# Altium PCB PCB_v4.PcbDoc (part 1 of 7) (continued)
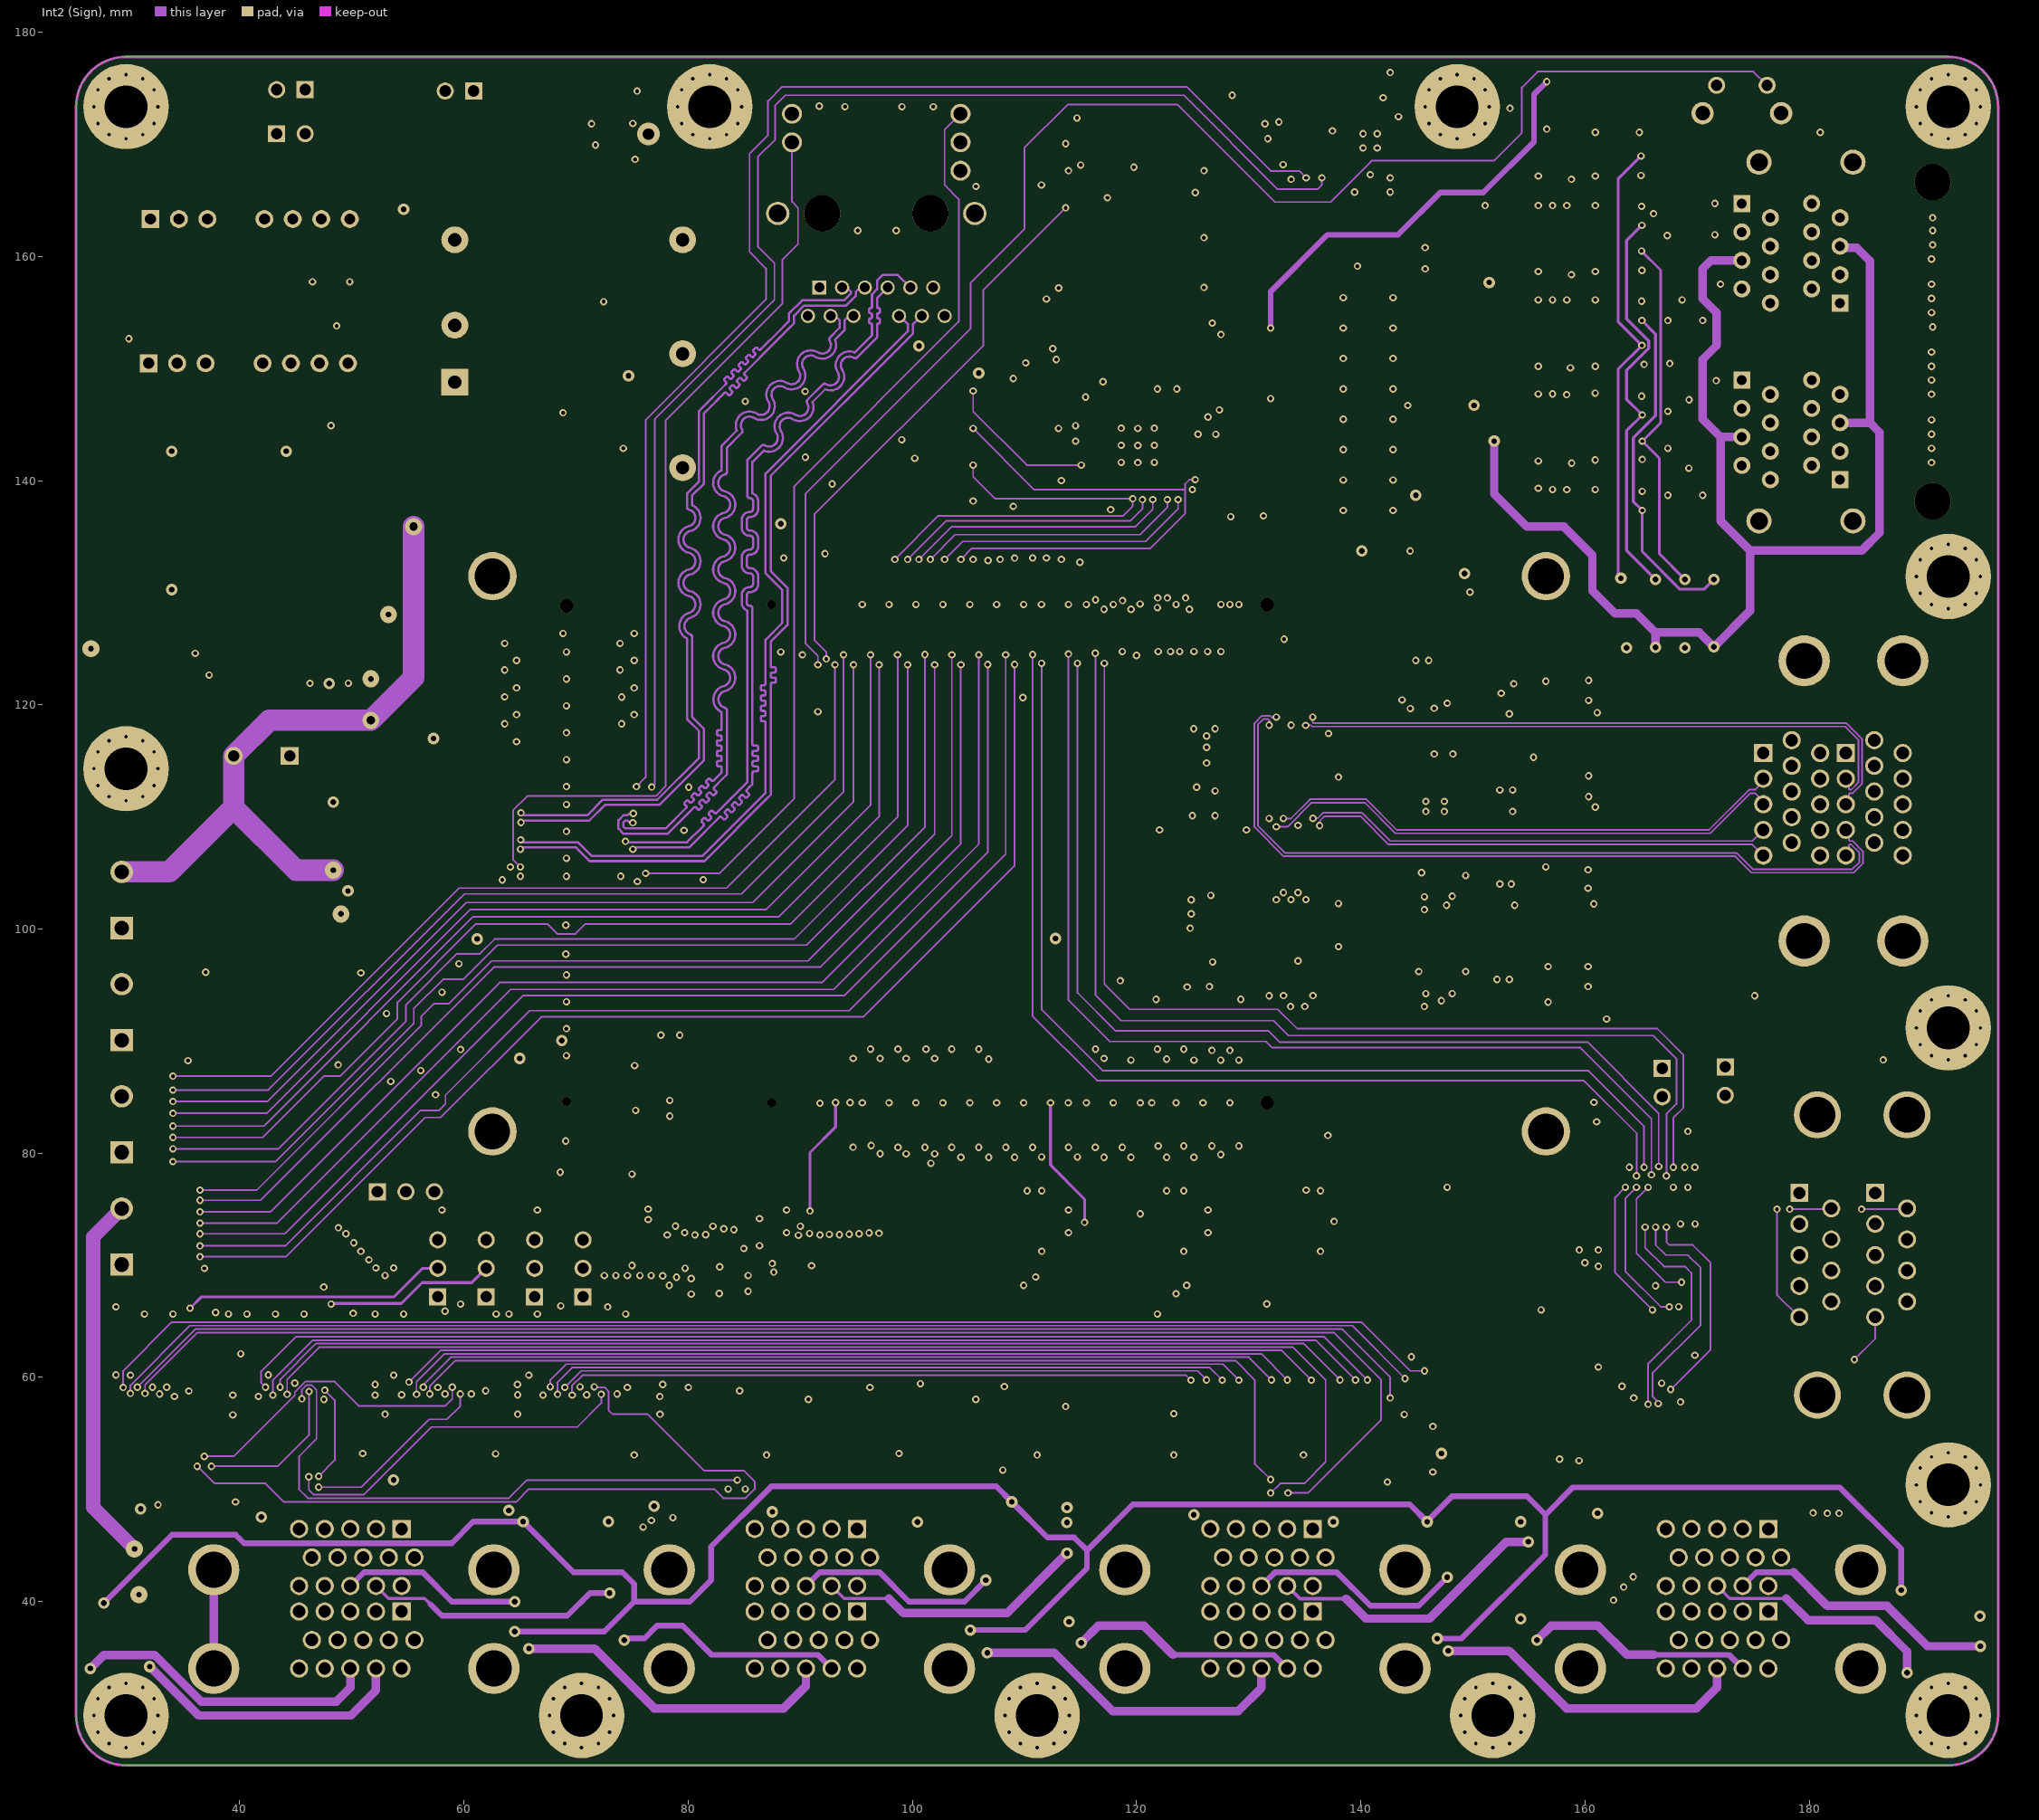
[diagram p3: Int2 (Sign)]
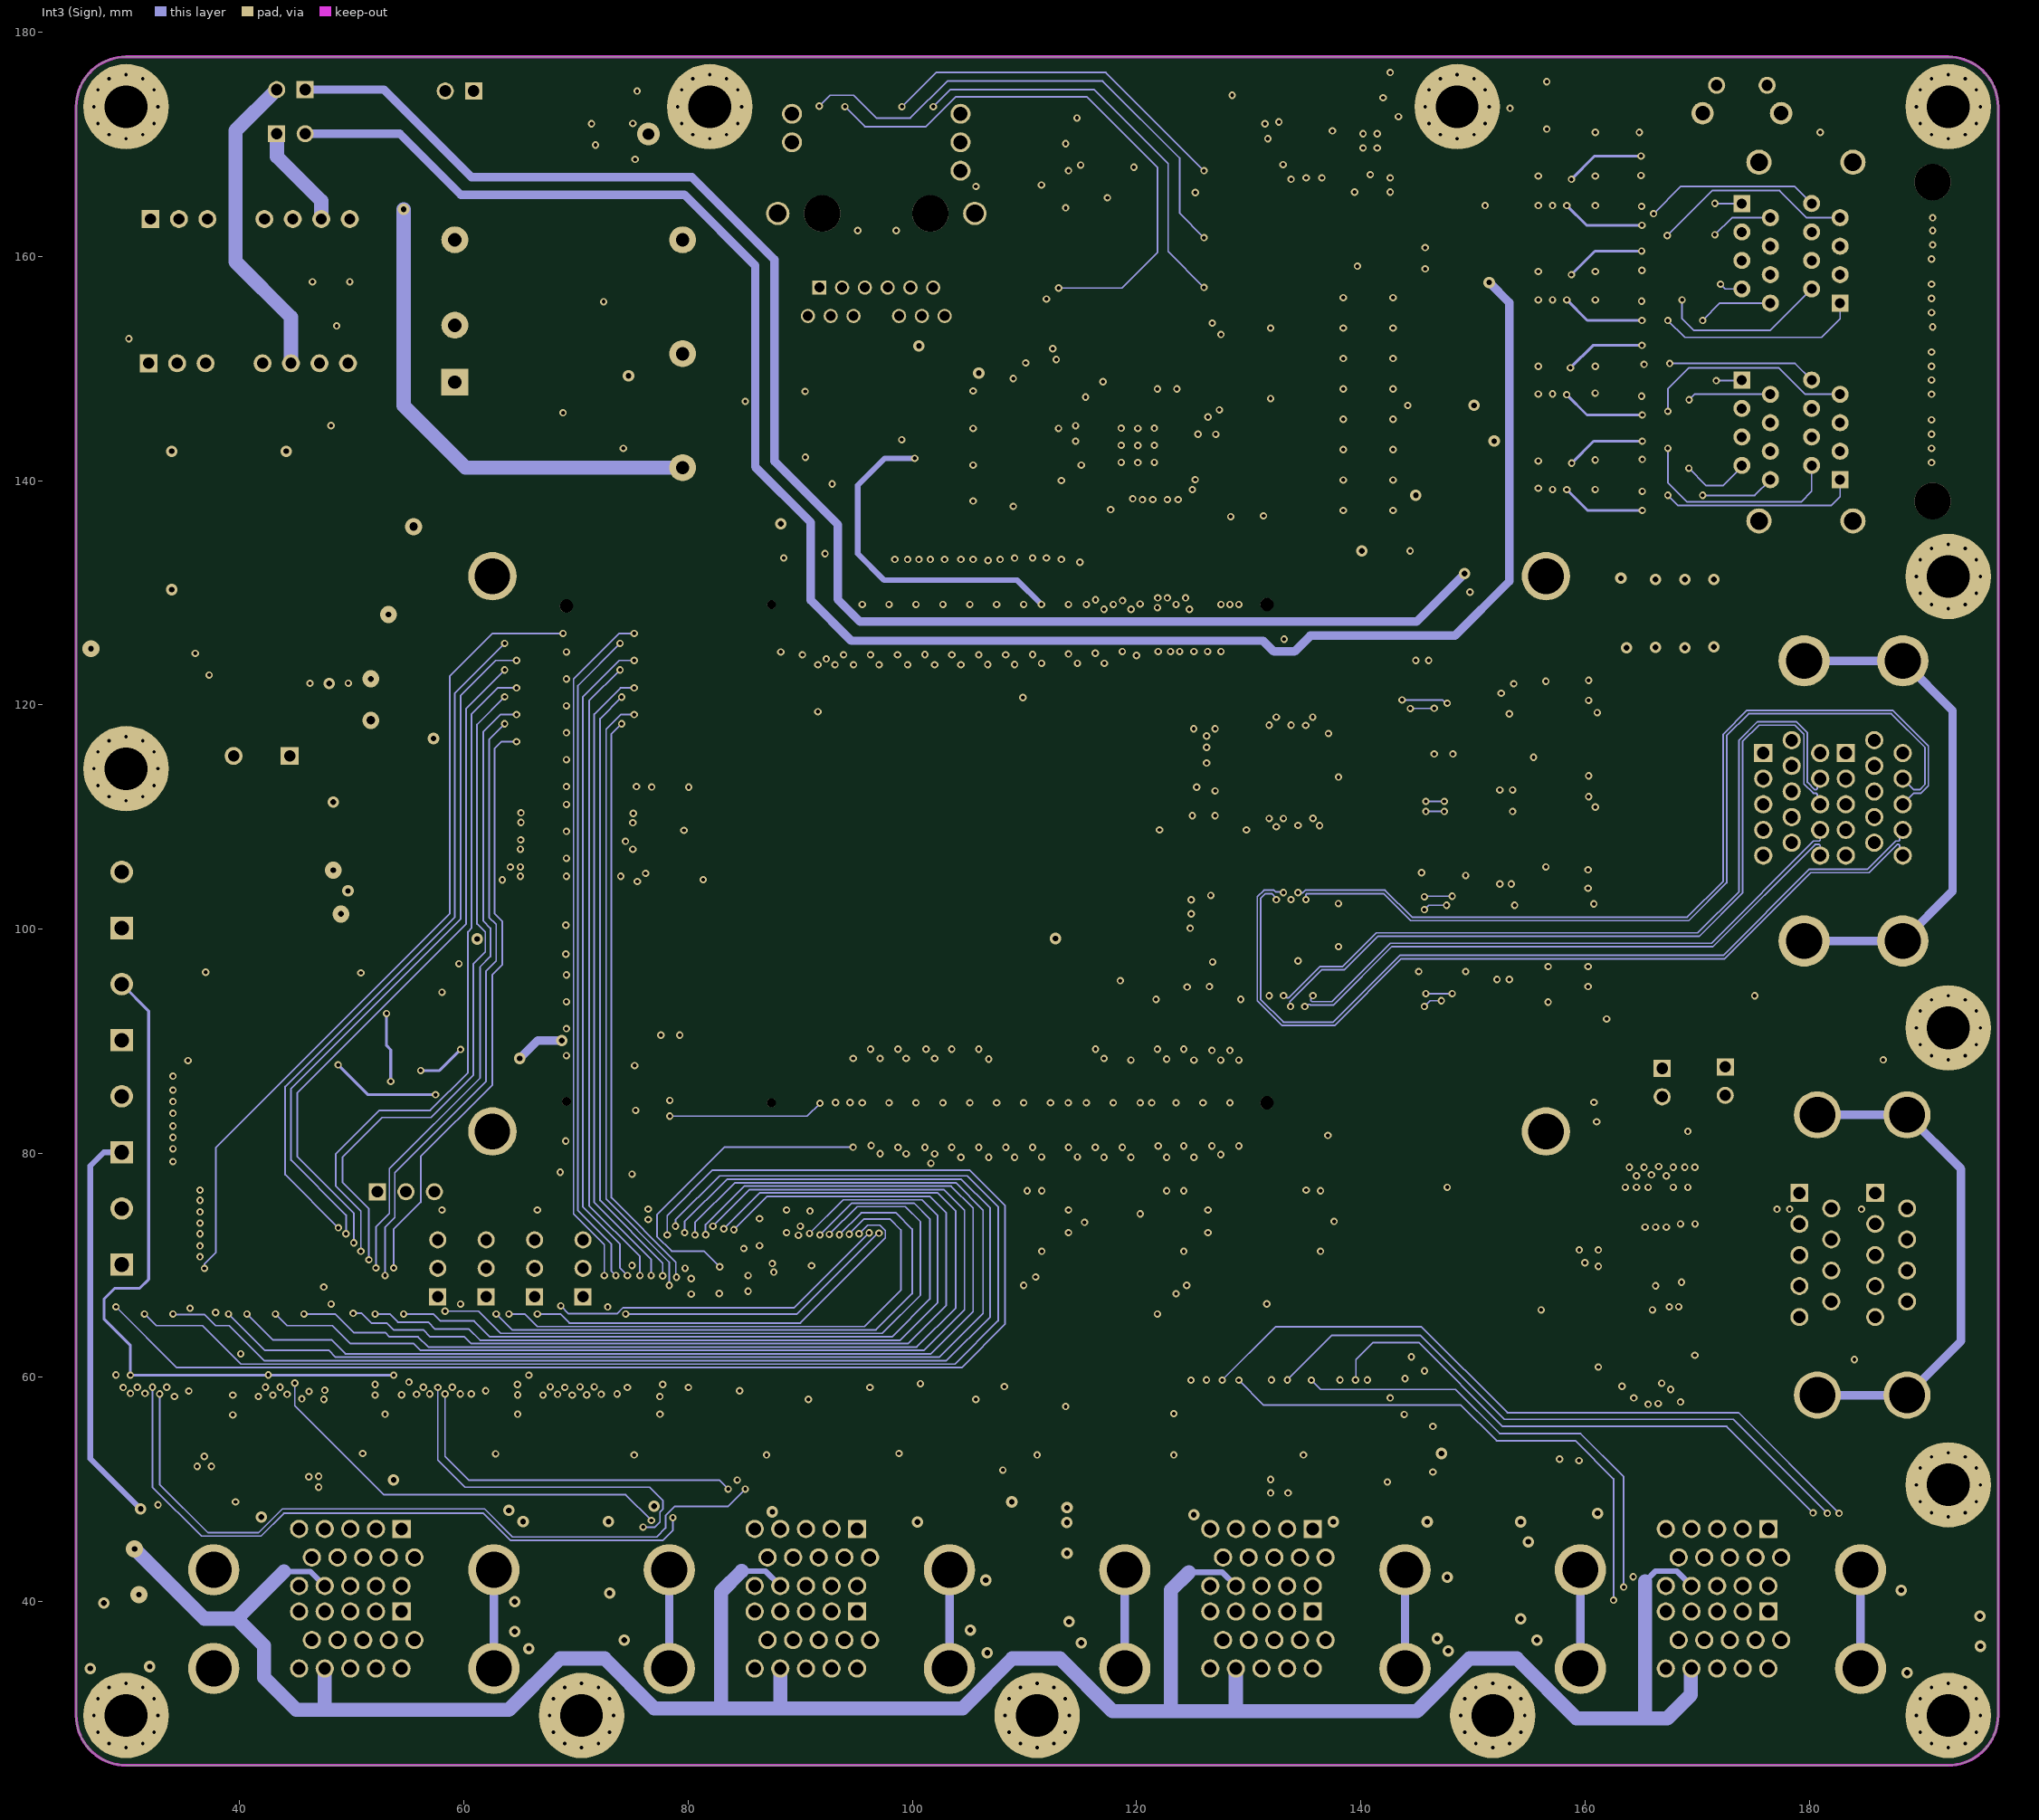
[diagram p4: Int3 (Sign)]
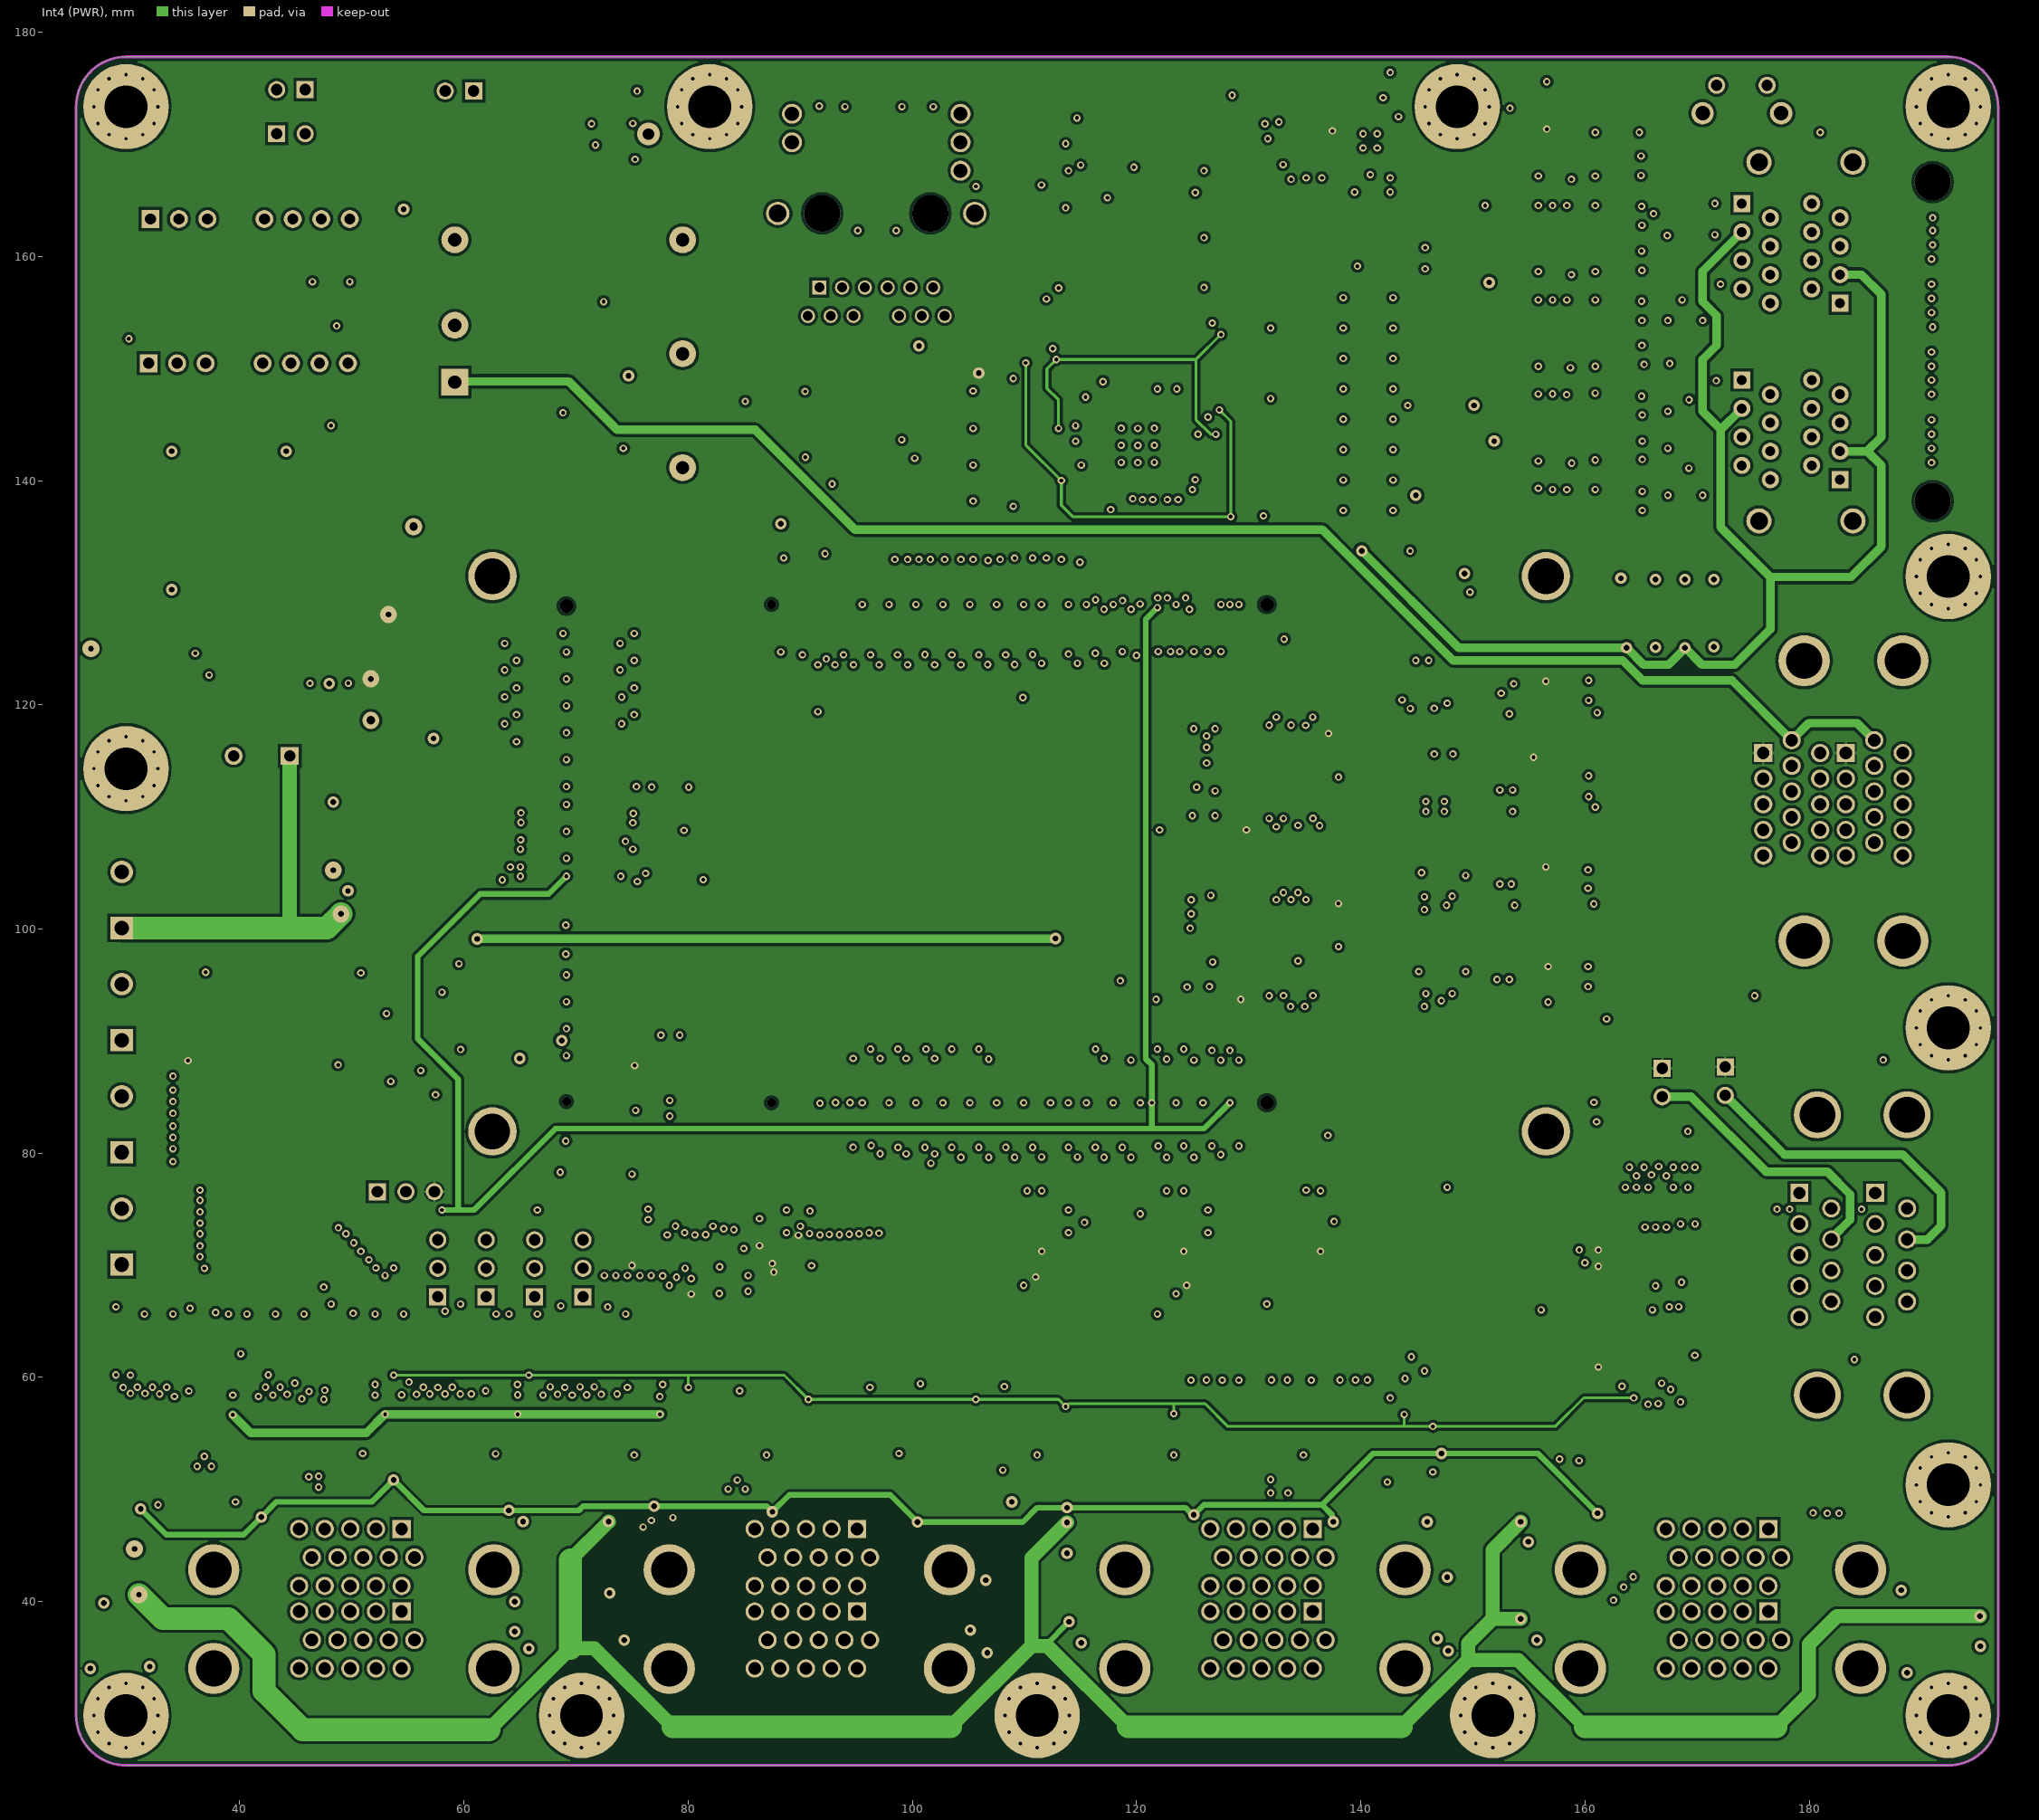
[diagram p5: Int4 (PWR)]

## Layer stack, top to bottom
Top Solder: solder mask 0.0254, SM-001, Dk 4
Top Layer: signal copper 0.035
Dielectric 1: prepreg 0.0711, PP-006, Dk 4.1
Dielectric 2: prepreg 0.0711, PP-006, Dk 4.1
Int1 (GND): signal copper 0.035
Dielectric 3: core 0.4572, Core-035, Dk 4.7
Int2 (Sign): signal copper 0.035
Dielectric 4: prepreg 0.0711, PP-006, Dk 4.1
Dielectric 5: prepreg 0.0711, PP-006, Dk 4.1
Int3 (Sign): signal copper 0.035
Dielectric 6: core 0.4572, Core-035, Dk 4.7
Int4 (PWR): signal copper 0.035
Dielectric 7: prepreg 0.0711, PP-006, Dk 4.1
Dielectric 8: prepreg 0.0711, PP-006, Dk 4.1
Bottom Layer: signal copper 0.035
Bottom Solder: solder mask 0.0254, SM-001, Dk 4

## Board outline
25.4,29.845 ccw(c29.845,29.845) 29.845,25.4 192.405,25.4 ccw(c192.405,29.845) 196.85,29.845 196.85,173.355 ccw(c192.405,173.355) 192.405,177.8 29.845,177.8 ccw(c29.845,173.355) 25.4,173.355

## Design rules (kind name [scope] priority, off if disabled: settings)
BoardOutlineClearance [All - (OnTopSilkscreen Or OnBottomSilkscreen)] p1: gap=0.381 ignorepadtopadclearanceinfootprint=FALSE
Clearance "Clearance Polygons" [InPolygon] p1: gap=0.254 ignorepadtopadclearanceinfootprint=FALSE except(0: Arc-Hole Track-Hole SMDPad-Hole THPad-Hole Via-Hole Fill-Hole Poly-Hole Region-Hole Text-Hole)
Clearance [All] p2: gap=0.152 ignorepadtopadclearanceinfootprint=FALSE
ComponentClearance "HM-TRP & UFL" [InComponent('X1') vs InComponent('U1')] p1: gap=0 collisioncheckmode=3 verticalgap=0 showdistances=FALSE
ComponentClearance [All] p2: gap=0.025 collisioncheckmode=3 verticalgap=0.025 showdistances=FALSE
DiffPairsRouting DiffPairsRouting_Ethernet [InDifferentialPair('ETH_MD1') Or InDifferentialPair('ETH_MD2') Or InDifferentialPair('ETH_MD3') Or InDifferentialPair('ETH_MD4')] p1: maxlimit=0.254 minlimit=0.254 mostfreqgap=0.254 substack1={0A97F11A-E963-48BA-B0ED-1BDE9A0F7617} toplayer_{0a97f11a-e963-48ba-b0ed-1bde9a0f7617}_minwidth=0.381 toplayer_{0a97f11a-e963-48ba-b0ed-1bde9a0f7617}_maxwidth=0.381 toplayer_{0a97f11a-e963-48ba-b0ed-1bde9a0f7617}_prefwidth=0.381 midlayer1_{0a97f11a-e963-48ba-b0ed-1bde9a0f7617}_minwidth=0.381 midlayer1_{0a97f11a-e963-48ba-b0ed-1bde9a0f7617}_maxwidth=0.381 midlayer1_{0a97f11a-e963-48ba-b0ed-1bde9a0f7617}_prefwidth=0.381 midlayer2_{0a97f11a-e963-48ba-b0ed-1bde9a0f7617}_minwidth=0.381 midlayer2_{0a97f11a-e963-48ba-b0ed-1bde9a0f7617}_maxwidth=0.381 midlayer2_{0a97f11a-e963-48ba-b0ed-1bde9a0f7617}_prefwidth=0.381 midlayer3_{0a97f11a-e963-48ba-b0ed-1bde9a0f7617}_minwidth=0.381 midlayer3_{0a97f11a-e963-48ba-b0ed-1bde9a0f7617}_maxwidth=0.381 midlayer3_{0a97f11a-e963-48ba-b0ed-1bde9a0f7617}_prefwidth=0.381 midlayer4_{0a97f11a-e963-48ba-b0ed-1bde9a0f7617}_minwidth=0.381 midlayer4_{0a97f11a-e963-48ba-b0ed-1bde9a0f7617}_maxwidth=0.381 midlayer4_{0a97f11a-e963-48ba-b0ed-1bde9a0f7617}_prefwidth=0.381 bottomlayer_{0a97f11a-e963-48ba-b0ed-1bde9a0f7617}_minwidth=0.381 bottomlayer_{0a97f11a-e963-48ba-b0ed-1bde9a0f7617}_maxwidth=0.381 bottomlayer_{0a97f11a-e963-48ba-b0ed-1bde9a0f7617}_prefwidth=0.381 toplayer_minwidth=0.203 toplayer_maxwidth=0.203 toplayer_prefwidth=0.203 midlayer1_minwidth=0.203 midlayer1_maxwidth=0.203 midlayer1_prefwidth=0.203 midlayer2_minwidth=0.203 midlayer2_maxwidth=0.203 midlayer2_prefwidth=0.203 midlayer3_minwidth=0.203 midlayer3_maxwidth=0.203 midlayer3_prefwidth=0.203 midlayer4_minwidth=0.203 midlayer4_maxwidth=0.203 midlayer4_prefwidth=0.203 bottomlayer_minwidth=0.203 bottomlayer_maxwidth=0.203 bottomlayer_prefwidth=0.203 maxuncoupledlength=12.7
DiffPairsRouting [All] p2: maxlimit=10.16 minlimit=0.152 mostfreqgap=0.152 substack1={0A97F11A-E963-48BA-B0ED-1BDE9A0F7617} toplayer_{0a97f11a-e963-48ba-b0ed-1bde9a0f7617}_minwidth=0.381 toplayer_{0a97f11a-e963-48ba-b0ed-1bde9a0f7617}_maxwidth=0.381 toplayer_{0a97f11a-e963-48ba-b0ed-1bde9a0f7617}_prefwidth=0.381 midlayer1_{0a97f11a-e963-48ba-b0ed-1bde9a0f7617}_minwidth=0.381 midlayer1_{0a97f11a-e963-48ba-b0ed-1bde9a0f7617}_maxwidth=0.381 midlayer1_{0a97f11a-e963-48ba-b0ed-1bde9a0f7617}_prefwidth=0.381 midlayer2_{0a97f11a-e963-48ba-b0ed-1bde9a0f7617}_minwidth=0.381 midlayer2_{0a97f11a-e963-48ba-b0ed-1bde9a0f7617}_maxwidth=0.381 midlayer2_{0a97f11a-e963-48ba-b0ed-1bde9a0f7617}_prefwidth=0.381 midlayer3_{0a97f11a-e963-48ba-b0ed-1bde9a0f7617}_minwidth=0.381 midlayer3_{0a97f11a-e963-48ba-b0ed-1bde9a0f7617}_maxwidth=0.381 midlayer3_{0a97f11a-e963-48ba-b0ed-1bde9a0f7617}_prefwidth=0.381 midlayer4_{0a97f11a-e963-48ba-b0ed-1bde9a0f7617}_minwidth=0.381 midlayer4_{0a97f11a-e963-48ba-b0ed-1bde9a0f7617}_maxwidth=0.381 midlayer4_{0a97f11a-e963-48ba-b0ed-1bde9a0f7617}_prefwidth=0.381 bottomlayer_{0a97f11a-e963-48ba-b0ed-1bde9a0f7617}_minwidth=0.381 bottomlayer_{0a97f11a-e963-48ba-b0ed-1bde9a0f7617}_maxwidth=0.381 bottomlayer_{0a97f11a-e963-48ba-b0ed-1bde9a0f7617}_prefwidth=0.381 toplayer_minwidth=0.152 toplayer_maxwidth=0.305 toplayer_prefwidth=0.203 midlayer1_minwidth=0.152 midlayer1_maxwidth=0.305 midlayer1_prefwidth=0.203 midlayer2_minwidth=0.152 midlayer2_maxwidth=0.305 midlayer2_prefwidth=0.203 midlayer3_minwidth=0.152 midlayer3_maxwidth=0.305 midlayer3_prefwidth=0.203 midlayer4_minwidth=0.152 midlayer4_maxwidth=0.305 midlayer4_prefwidth=0.203 bottomlayer_minwidth=0.152 bottomlayer_maxwidth=0.305 bottomlayer_prefwidth=0.203 maxuncoupledlength=12.7
Height [All] p1: minheight=0 maxheight=127 prefheight=12.7
HoleSize [All] p1: absolutevalues=TRUE maxlimit=6.5 minlimit=0.3 maxpercent=80.000 minpercent=20.000
HoleToHoleClearance [All] p1: gap=0.254 allowstackedmicrovias=FALSE
MatchedLengths [InNetClass('Ethernet')] p1: tolerance=1.27 checknetsindiffpair=FALSE checkdiffpairvsdiffpair=TRUE checkxsignals=TRUE checkothers=TRUE
MinimumAnnularRing [All] p1: minimumring=0.152
MinimumSolderMaskSliver [All] p1: minsoldermaskwidth=0.203
PlaneClearance [All] p1: clearance=0.254
PlaneConnect [All] p1: planeconnectstyle=Relief reliefexpansion=0.102 reliefentries=4 reliefconductorwidth=0.152 reliefairgap=0.152
PolygonConnect "Via connect style" [isVia] p1: connectstyle=Direct reliefconductorwidth=0.254 reliefentries=4 polygonreliefangle="90 Angle" airgapwidth=0.254
PolygonConnect [All] p2: connectstyle=Relief reliefconductorwidth=0.254 reliefentries=4 polygonreliefangle="90 Angle" airgapwidth=0.152
RoutingCorners [All] p1: cornerstyle=45-Degree minsetback=1.27 maxsetback=1.27
RoutingVias [All] p1: holewidth=0.305 width=0.559 viastyle="Through Hole" minholewidth=0.305 minwidth=0.457 maxholewidth=3.81 maxwidth=5.08
SilkToSilkClearance [All] p1: silktosilkclearance=0
SilkToSolderMaskClearance [IsPad] p1: minsilkscreentomaskgap=0.127 clearancetoexposedcopper=TRUE
SolderMaskExpansion [All] p1: expansion=0.064 istentingtop=FALSE
UnRoutedNet [All] p1: checkbadconnections=TRUE
Width General [All] p1: maxlimit=2.54 minlimit=0.152 preferedwidth=0.254 substack1={0A97F11A-E963-48BA-B0ED-1BDE9A0F7617}
Width GND [InNet('GND')] p2: maxlimit=1.016 minlimit=0.254 preferedwidth=0.508 substack1={0A97F11A-E963-48BA-B0ED-1BDE9A0F7617}
Width Power [InNetClass('Power')] p3: maxlimit=1.016 minlimit=0.508 preferedwidth=0.762 substack1={0A97F11A-E963-48BA-B0ED-1BDE9A0F7617}
Width 3V3 [InNetClass('3V3')] p4: maxlimit=1.016 minlimit=0.254 preferedwidth=0.508 substack1={0A97F11A-E963-48BA-B0ED-1BDE9A0F7617}
18 further rules are at their usual default settings.

## Classes and differential pairs
net class Ethernet: ETH_MD1_N ETH_MD1_P ETH_MD2_N ETH_MD2_P ETH_MD3_N ETH_MD3_P ETH_MD4_N ETH_MD4_P
component class U_AnalogConditioning: R57 R75 R76 R77 R78 R79
channel class isoSPI: isoSPI1_Interface isoSPI2_Interface isoSPI3_Interface isoSPI4_Interface
component class isoSPI4_Interface: C97D C98D R9D R10D R19D U9D
component class isoSPI3_Interface: C97C C98C R9C R10C R19C U9C
component class isoSPI2_Interface: C97B C98B R9B R10B R19B U9B
component class isoSPI1_Interface: C97A C98A R9A R10A R19A U9A
component class U_TranslationSPI_C: C93F C94F U31F
component class U_TranslationSPI_A: C93E C94E U31E
channel class TranslationDir8Chan: U_TranslationStsA U_TranslationStsB U_TranslationStsC U_TranslationStsD
component class U_DriveInterface: JP1
component class U_AnalogInterface: R82 U2
component class U_USB_UART: C65 C66 C67 C68 C69 C70 CON12 LED12 LED13 LED14 R48 R49 R50 R51 R52 R53 R54 U22 U34
channel class AnalogSigCond: AnalogSigCond_A AnalogSigCond_B AnalogSigCond_C AnalogSigCond_D
component class U_Power_InrushLimit: C91 C92 U30
component class AnalogSigCond_B: C77B C79B C81B C82B C84B C85B C86B C88B R60B R61B R62B R63B U28B U29B
component class AnalogSigCond_A: C77A C79A C81A C82A C84A C85A C86A C88A R60A R61A R62A R63A U28A U29A
component class U_BackPage: FID1 FID2 FID3 FID4 FID5 FID6 FID7 FID8 FID9 FID10 FID11 FID12 FID13 MH1 MH2 MH3 MH4 MH5 MH6 MH7 MH8 MH9 MH10 MH11 MH12 MH13
component class U_TranslationStsB: C93B C94B C143J C144J C145J C146J U31B U31J
component class U_TranslationStsA: C93A C94A C143I C144I C145I C146I U31A U31I
component class U_TranslationStsD: C93D C94D C143L C144L C145L C146L U31D U31L
component class U_TranslationStsC: C93C C94C C143K C144K C145K C146K U31C U31K
channel class LVHV8ChanTranslation: U_LVHV8ChanTranslation1 U_LVHV8ChanTranslation2 U_LVHV8ChanTranslation3 U_LVHV8ChanTranslation4 U_LVHV8ChanTranslation5 U_LVHV8ChanTranslation6
channel class InverterConnector: InverterConnector1AB InverterConnector2AB InverterConnector3AB InverterConnector4AB
component class U_Power_Protection: C78 C80 C118 C119 C122 D6 Q3 R55 R56 R58 R59 R83 U26
component class U_InverterConnectors: C117 D5 JP15 R22 R23 R24 R25 R26 R27 R28 R29 R30 R31 R32 R33 R34 R35 R36 R37
component class U_Power: C35 C36 C37 C38 C39 C40 C41 C42 C43 C44 C45 C46 C47 C48 C49 C50 C51 C52 C53 C54 C55 C56 C57 C58 C59 C60 C61 C62 C63 C64 C98 C147 C150 JP8 JP9 JP10 L1 L2 R39 R40 R41 R42 R43 R44 R45 R46 R47 R64 R65 R70 R71 R72 R73 R74 U11 U12 U13 U14 U15 U16 U17 U18 U19 U20 U21
component class U_PicoZed: C83 C87 C89 C90 C104 C105 C106 C107 SOM1 U27
component class U_LVHV8ChanTranslation6: C71F C72F C73F C74F C75F C76F C135F C136F C137F C138F C139F C140F C141F C142F U23F U24F U25F U30F
component class U_LVHV8ChanTranslation5: C71E C72E C73E C74E C75E C76E C135E C136E C137E C138E C139E C140E C141E C142E U23E U24E U25E U30E
component class U_LVHV8ChanTranslation4: C71D C72D C73D C74D C75D C76D C141D C142D U23D U24D U25D U30D
component class U_LVHV8ChanTranslation3: C71C C72C C73C C74C C75C C76C C141C C142C U23C U24C U25C U30C
component class U_LVHV8ChanTranslation2: C71B C72B C73B C74B C75B C76B C141B C142B U23B U24B U25B
component class U_LVHV8ChanTranslation1: C71A C72A C73A C74A C75A C76A C141A C142A U23A U24A U25A
component class U_JTAG: CON9 CON11 R38 TP15 TP16 TP17 TP18 U33
component class U_InverterTranslation: JP4 JP5 JP6 JP7
component class U_SPI: C95 C96 C98 CON8 R20 R66 R67 R68 R69 T1 T2 U7 U8
component class U_Gb_Ethernet: C31 C32 C33 C34 CON7 R18
component class U_Encoder: C27 C28 C29 C30 CON6 JP2 JP3 R11 R12 R13 R14 R15 R16 R17 U4 U5 U6
component class U_BoardIO: C24 C25 C26 C99 C100 C101 C102 C103 CON2 CON3 CON4 CON5 LED1 LED2 LED3 Q1 Q2 R2 R3 R4 R5 R6 R7 R8 SW1 U3 U10 U32 U39 U40 U41
component class U_AnalogConnectors: CON1 R1 R84 R85 R86 R87 R88 R89 R90 R91 U35 U36 U37 U38
component class U_AnalogADC: C1 C2 C3 C4 C5 C6 C7 C8 C9 C10 C11 C12 C13 C14 C15 C16 C17 C18 C19 C20 C21 C22 C23 R80 R81 TP1 TP2 TP3 TP4 U1
component class InverterConnector4AB: CON10D R21D R30D
component class InverterConnector3AB: CON10C R21C R30C
component class InverterConnector2AB: CON10B R21B R30B
component class InverterConnector1AB: CON10A R21A R30A
differential pair SPI4_OUT: +SPI4_OUT_P -SPI4_OUT_N
differential pair SPI4_IN: +SPI4_IN_P -SPI4_IN_N
differential pair SPI3_OUT: +SPI3_OUT_P -SPI3_OUT_N
differential pair SPI3_IN: +SPI3_IN_P -SPI3_IN_N